# Altium PCB PCB.PcbDoc (part 1 of 3) (continued)
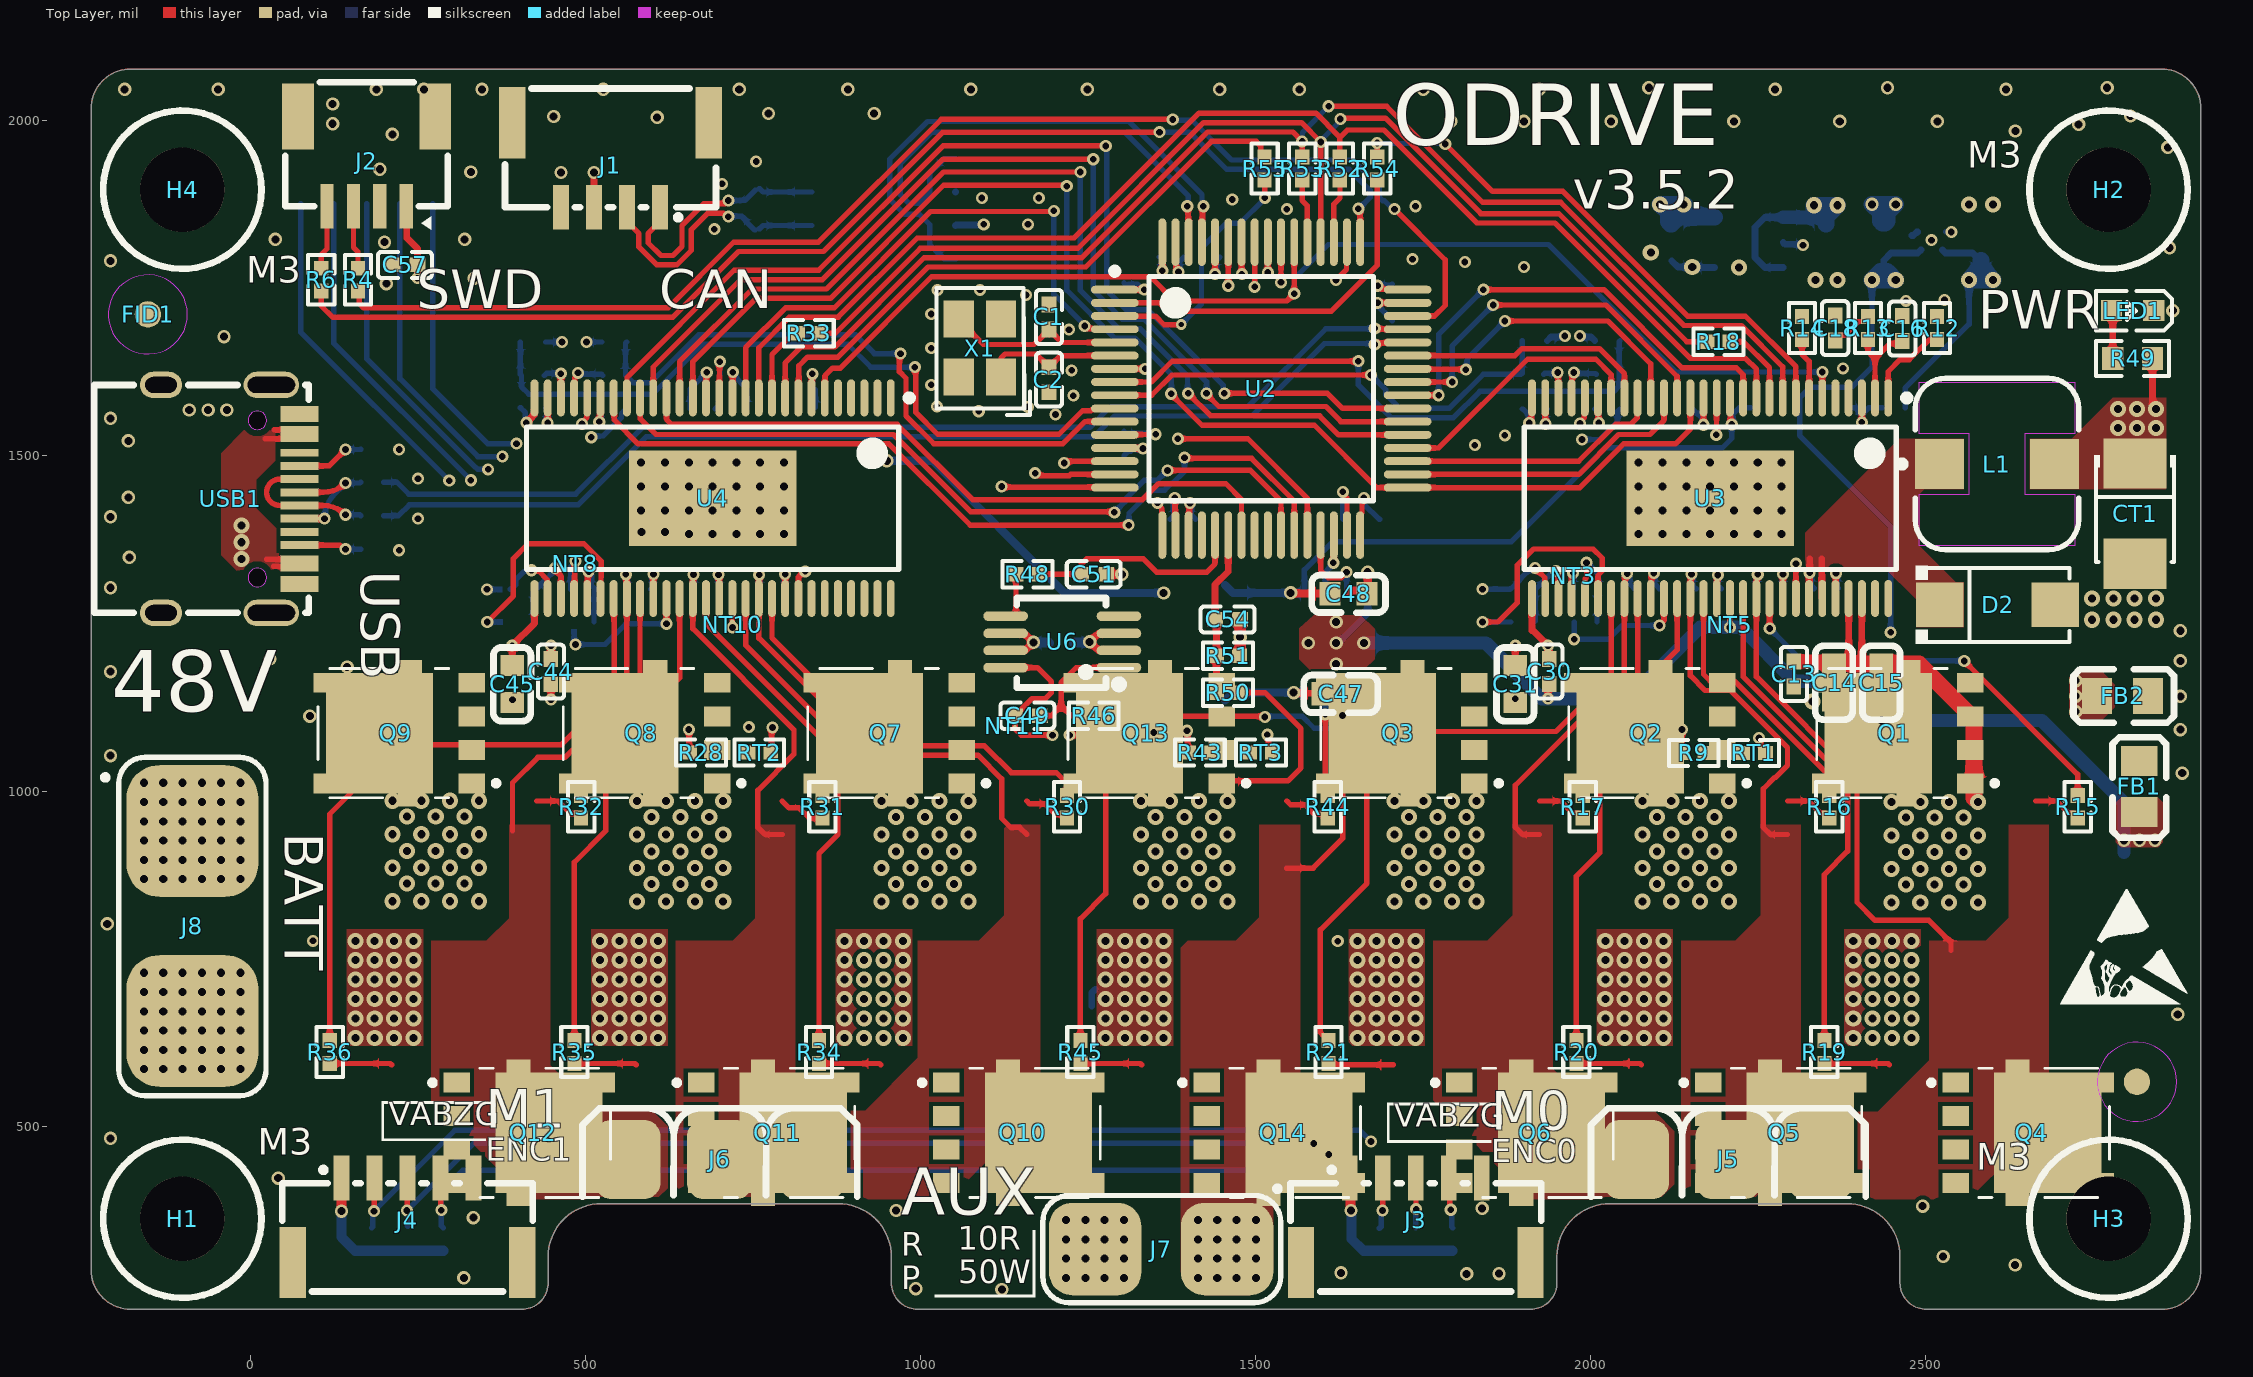
[diagram p0: Top Layer view]
## Footprints (in the part's own frame and the unit in brackets; to place one, negate y for a bottom-side part, rotate by r counter-clockwise, add the part's x,y. Pads: shape width x height; smd on the part's side, far side on the other; paste and mask are expansions set on the pad) (continued)
FIDUCIAL [mm] "1mm fiducial with 3mm keepout"
  round 1 smd paste-1 mask+0.5: 0(0,0)
  round 1 smd far side paste-1 mask+0.5: 0(0,0)
  Keep-Out Layer circle w0.025: c0,0 r1.5
GH1.25-4P [mm]
  rect 0.6x1.7 smd mask+0.05: 1(-1.845,1.905) 2(-0.595,1.905) 3(0.655,1.905) 4(1.905,1.905)
  rect 1x2.7 smd mask+0.05: 5(-3.695,-1.296) 6(3.755,-1.296)
  silkscreen extent -3.97,-2.59 4.03,2.39, body extent -4.13,-2.67 4.13,2.19, height 4.26
GH1.25-5P [mm]
  rect 0.6x1.7 smd mask+0.05: 1(-2.5,1.6) 2(-1.25,1.6) 3(0,1.6) 4(1.25,1.6) 5(2.5,1.6)
  rect 1x2.7 smd mask+0.05: 6(-4.35,-1.6) 7(4.35,-1.6)
  silkscreen extent -4.75,-2.7 4.75,2, body extent -4.75,-2.92 4.75,1.94, height 4.26
GH1.25-6P [mm]
  rect 0.6x1.7 smd mask+0.051: 1(-3.125,1.6) 2(-1.875,1.6) 3(-0.625,1.6) 4(0.625,1.6) 5(1.875,1.6) 6(3.125,1.6)
  rect 1x2.7 smd mask+0.051: 7(-4.975,-1.6) 8(4.975,-1.6)
  silkscreen extent -5.46,-2.79 5.46,2, body extent -5.38,-2.92 5.38,1.94, height 4.26
L0805 [mil]
  rect 44.59x54.21 smd paste-3937.01 mask+2: 1(-38.04,0) 2(38.04,0)
  silkscreen extent -77,-40 73,40
LED0603-RD [mm]
  rect 0.8x0.8 smd paste+0 mask+0.051: 1(0.799,0.003) 2(-0.799,-0.003)
  silkscreen extent -1.49,-0.75 1.39,0.76, body extent -0.81,-0.41 0.81,0.41, height 0.56
M3_NPTH [mm] "Hole without copper"
  round 3.2 hole 3.2 unplated: 1(0,0)
  silkscreen extent -3,-3 3,3
"MR30PB-F [Straight] [SMT]" [mm] "驱动器端"
  rrect50% 2.5x3 smd: 1(3.5,-1.489) 2(0,-1.489) 3(-3.5,-1.489)
  silkscreen extent -5.21,-3.43 5.21,-0.08, body extent -5.94,-1.78 5.94,9.62, height 2.74
MSOP-8_L3.0-W3.0-P0.65-LS5.0-BL [mil]
  oval 14.33x66.61 smd: 1(-38.39,-84.49) 2(-12.79,-84.49) 3(12.8,-84.49) 4(38.39,-84.49) 5(38.39,84.49) 6(12.8,84.49) 7(-12.79,84.49) 8(-38.39,84.49)
  silkscreen extent -69,-90 65,68, body extent -60,-98 58,98, height 39
NETTIE_8MIL#1 [mil]
  round 8 smd paste-78.74 mask+0: 1(0,0) 2(8,0)
  Top Layer region: 0,4 8,4 8,-4 0,-4
NETTIE_8MIL#2 [mil]
  round 8 on Mid2 paste-78.74 mask+0: 1(0,0) 2(8,0)
  Signal region: 0,4 8,4 8,-4 0,-4
NRVTS10100EMFST1G [mm]
  rect 0.75x0.475 smd: D(0,5.779) D(3.81,5.779)
  rect 4.56x2.73 smd: D(1.905,4.179)
  rect 4.56x0.43 smd: D(1.905,1.699)
  rect 5.55x0.91 smd: D(1.905,2.364)
  rect 0.75x1 smd: G(3.81,0.021) S(0,0.021) S(1.27,0.021) S(2.54,0.021)
  silkscreen extent -0.55,-1 4.36,5.85, body extent -0.67,-0.45 4.48,5.71, height 1
R0402 [mm]
  rect 0.566x0.54 smd mask+0.051: 1(-0.433,0) 2(0.433,0)
  silkscreen extent -0.94,-0.5 0.94,0.5, body extent -0.5,-0.25 0.5,0.25, height 0.5
R0603 [mil]
  rect 31.75x34.02 smd mask+2: 1(-29.66,0) 2(29.66,0)
  silkscreen extent -55,-26 55,26, body extent -33,-16 31,16, height 18
R2512 [mil]
  rect 50.49x136.06 smd paste-3937.01 mask+2: 1(-120.72,0) 2(120.72,0)
  silkscreen extent -155,-77 155,77, body extent -124,-63 124,63, height 24
SMA_L4.4-W2.6-LS5.0-RD [mm]
  rect 1.8x1.7 smd paste+0 mask+0.051: 1(-2.192,0) 2(2.192,0)
  silkscreen extent -3.11,-1.48 2.73,1.48, body extent -2.6,-1.24 2.6,1.26, height 2.1
SOIC127P600X175-8N [mm] "SOIC, 8-Leads, Body 4.90x3.90mm, Pitch 1.27mm, IPC Medium Density"
  oval 1.45x0.6 smd: 1(-2.725,1.905) 2(-2.725,0.635) 3(-2.725,-0.635) 4(-2.725,-1.905) 5(2.725,-1.905) 6(2.725,-0.635) 7(2.725,0.635) 8(2.725,1.905)
  silkscreen extent -2.85,-2.5 1.6,2.88, body extent -2,-2.5 2,2.5, height 1.75
SON80P400X80_HS-9N [mm] "SON, 8-Leads, Body 4.00x4.00mm, Pitch 0.80mm, Thermal Pad 3.00x2.49mm, IPC Medium Density"
  rect 0.9x0.3 smd mask+0: 1(-1.895,1.2) 2(-1.895,0.4) 3(-1.895,-0.4) 4(-1.895,-1.2) 5(1.895,-1.2) 6(1.895,-0.4) 7(1.895,0.4) 8(1.895,1.2)
  rect 2.49x3 smd paste-1.245 mask+0: 9(0,0)
  silkscreen extent -2.65,-2.2 2.2,2.25, body extent -2.05,-2.05 2.05,2.05, height 0.8
SOT95P280X145-5N [mm]
  rect 1.2x0.6 smd: 1(-1.25,0.95) 2(-1.25,0) 3(-1.25,-0.95) 4(1.25,-0.95) 5(1.25,0.95)
  silkscreen extent -1.85,-1.45 0.3,1.5, body extent -1.4,-1.45 1.4,1.45, height 1.2
SOT-23-5_L3.0-W1.7-P0.95-LS2.8-BR [mm]
  rect 1x0.6 smd: 1(1.3,-0.95) 2(1.3,0) 3(1.3,0.95) 4(-1.3,0.95) 5(-1.3,-0.95)
  silkscreen extent -0.9,-1.78 1.65,1.55, body extent -1.45,-1.39 1.45,1.39, height 1.2
STM-LQFP64_N [mm] "Thin QFP, 64-Leads, Body 10x10mm, Pitch 0.5mm, IPC Medium Density"
  oval 1.8x0.3 smd: 1(-5.55,3.75) 2(-5.55,3.25) 3(-5.55,2.75) 4(-5.55,2.25) 5(-5.55,1.75) 6(-5.55,1.25) 7(-5.55,0.75) 8(-5.55,0.25) 9(-5.55,-0.25) 10(-5.55,-0.75) 11(-5.55,-1.25) 12(-5.55,-1.75) 13(-5.55,-2.25) 14(-5.55,-2.75) 15(-5.55,-3.25) 16(-5.55,-3.75) 33(5.55,-3.75) 34(5.55,-3.25) 35(5.55,-2.75) 36(5.55,-2.25) 37(5.55,-1.75) 38(5.55,-1.25) 39(5.55,-0.75) 40(5.55,-0.25) 41(5.55,0.25) 42(5.55,0.75) 43(5.55,1.25) 44(5.55,1.75) 45(5.55,2.25) 46(5.55,2.75) 47(5.55,3.25) 48(5.55,3.75)
  oval 0.3x1.8 smd: 17(-3.75,-5.55) 18(-3.25,-5.55) 19(-2.75,-5.55) 20(-2.25,-5.55) 21(-1.75,-5.55) 22(-1.25,-5.55) 23(-0.75,-5.55) 24(-0.25,-5.55) 25(0.25,-5.55) 26(0.75,-5.55) 27(1.25,-5.55) 28(1.75,-5.55) 29(2.25,-5.55) 30(2.75,-5.55) 31(3.25,-5.55) 32(3.75,-5.55) 49(3.75,5.55) 50(3.25,5.55) 51(2.75,5.55) 52(2.25,5.55) 53(1.75,5.55) 54(1.25,5.55) 55(0.75,5.55) 56(0.25,5.55) 57(-0.25,5.55) 58(-0.75,5.55) 59(-1.25,5.55) 60(-1.75,5.55) 61(-2.25,5.55) 62(-2.75,5.55) 63(-3.25,5.55) 64(-3.75,5.55)
  silkscreen extent -5.67,-4.25 4.25,4.57, body extent -5,-5 5,5, height 1.6
TSSOP50P810X120_HS-57N [mm] "TSSOP, 56-Leads, Body 14.00x6.10mm, Pitch 0.50mm, Thermal Pad 6.35x3.61mm, IPC Medium Density"
  oval 1.4x0.3 smd: 1(-3.8,6.75) 2(-3.8,6.25) 3(-3.8,5.75) 4(-3.8,5.25) 5(-3.8,4.75) 6(-3.8,4.25) 7(-3.8,3.75) 8(-3.8,3.25) 9(-3.8,2.75) 10(-3.8,2.25) 11(-3.8,1.75) 12(-3.8,1.25) 13(-3.8,0.75) 14(-3.8,0.25) 15(-3.8,-0.25) 16(-3.8,-0.75) 17(-3.8,-1.25) 18(-3.8,-1.75) 19(-3.8,-2.25) 20(-3.8,-2.75) 21(-3.8,-3.25) 22(-3.8,-3.75) 23(-3.8,-4.25) 24(-3.8,-4.75) 25(-3.8,-5.25) 26(-3.8,-5.75) 27(-3.8,-6.25) 28(-3.8,-6.75) 29(3.8,-6.75) 30(3.8,-6.25) 31(3.8,-5.75) 32(3.8,-5.25) 33(3.8,-4.75) 34(3.8,-4.25) 35(3.8,-3.75) 36(3.8,-3.25) 37(3.8,-2.75) 38(3.8,-2.25) 39(3.8,-1.75) 40(3.8,-1.25) 41(3.8,-0.75) 42(3.8,-0.25) 43(3.8,0.25) 44(3.8,0.75) 45(3.8,1.25) 46(3.8,1.75) 47(3.8,2.25) 48(3.8,2.75) 49(3.8,3.25) 50(3.8,3.75) 51(3.8,4.25) 52(3.8,4.75) 53(3.8,5.25) 54(3.8,5.75) 55(3.8,6.25) 56(3.8,6.75)
  rect 3.61x6.35 smd: 57(0,0)
  silkscreen extent -3.92,-7.05 2.7,7.58, body extent -3.1,-7.05 3.1,7.05, height 1.2
USB-C-16P [mm]
  oval 1.001x2.101 hole 0.599 slot 1.801 at 90 deg paste-2539.97 mask+0.051: 0(-4.321,1.633) 0(4.321,1.633)
  oval 1.001x1.6 hole 0.599 slot 1.199 at 90 deg paste-2539.97 mask+0.051: 0(-4.321,-2.548) 0(4.321,-2.548)
  rect 0.3x1.45 smd: A1(-3.071,2.7) A4(-2.309,2.7) A5(-1.25,2.7) A6(-0.25,2.7) A7(0.25,2.7) A8(1.25,2.7) A9(2.291,2.7) A12(3.079,2.7) B1(3.384,2.7) B4(2.596,2.7) B5(1.75,2.7) B6(0.75,2.7) B7(-0.75,2.7) B8(-1.75,2.7) B9(-2.614,2.7) B12(-3.376,2.7)
  Keep-Out Layer board cut-out: -2.629,1.102 -2.664,1.254 -2.761,1.376 -2.901,1.444 -3.057,1.444 -3.198,1.376 -3.295,1.254 -3.33,1.102 -3.33,1.102 -3.295,0.95 -3.198,0.828 -3.057,0.761 -2.901,0.761 -2.761,0.828 -2.664,0.95 -2.629,1.102
  Keep-Out Layer board cut-out: 3.33,1.102 3.295,1.254 3.198,1.376 3.057,1.444 2.901,1.444 2.761,1.376 2.664,1.254 2.629,1.102 2.629,1.102 2.664,0.95 2.761,0.828 2.901,0.761 3.057,0.761 3.198,0.828 3.295,0.95 3.33,1.102
  silkscreen extent -4.32,-5.08 4.32,3.05, body extent -4.49,-5.02 4.45,2.73, height 3.29
WE-PD_6050R [mm] "SMT Shielded Power Inductor, 2-leads, body 5.9x6.2mm"
  rect 1.85x1.9 smd: 1(-2.175,0) 2(2.175,0)
  Top Layer keep-out region: -2.95,-3.1 -2.95,-1.15 -1.05,-1.15 -1.05,1.15 -2.95,1.15 -2.95,3.1 2.95,3.1 2.95,1.15 1.05,1.15 1.05,-1.15 2.95,-1.15 2.95,-3.1
  silkscreen extent -3.72,-3.25 3.1,3.25, body extent -2.95,-3.1 2.95,3.1, height 4.9
XT60_2pads [mm]
  rrect50% 5x5 smd: 1(0,0) 2(7.2,0)
  silkscreen extent -2.79,-3.4 10.03,2.79, body extent -4.31,-18.92 11.59,1.58, height 6.25

## Part data
C1 C2 C3 C4 C5 C6 C7 C8 C9 C10 C11 C12 C13 C14 C15 C16 C17 C18 C19 C20 C21 C22 C23 C24 C25 C26 C27 C28 C29 C30 C31 C32 C33 C34 C35 C36 C37 C38 C39 C40 C41 C42 C43 C44 C45 C46 C47 C48 C49 C50 C51 C52 C53 C54 C55 C56 C57: library part Cap, "Capacitor", LatestRevisionDate=17-Jul-2002, LatestRevisionNote="Re-released for DXP Platform.", PackageDescription="Radial Cap, Thru-Hole; 2 Leads; 0.3 in Pin Spacing", PackageReference=RAD-0.3, Published=8-Jun-2000, Publisher="Altium Limited"
CE1 CE2 CE3 CE4: library part "Cap Pol", "Polarized Capacitor (Axial)", LatestRevisionDate=17-Jul-2002, LatestRevisionNote="Re-released for DXP Platform.", PackageDescription="Polarized Capacitor; 2 Leads", PackageReference=POLAR0.8, Published=8-Jun-2000, Publisher="Altium Limited"
CT1: library part "Cap TANT", "容值:330uF;精度:±20%;额定电压:6.3V;等效串联电阻:-;", Equivalent Series Resistance(ESR)=-, JLCPCB Part Class=扩展库, LCSC Part Name="330uF ±20% 6.3V", Manufacturer=湘怡中元/湘江, Manufacturer Part=CA45-C6R3M337T, Rated Voltage=6.3V, Tolerance=±20%, Add into BOM=yes, Convert to PCB=yes, Datasheet=https://atta.szlcsc.com/upload/public/pdf/source/20191009/C435293_78A410F3D73489DBEAC46056C4262F7A.pdf, Device=CA45-C6R3M337T, Leakage Current(DCL)=-, Name=330uF, Ripple Current=-, Supplier=LCSC, Supplier Footprint=CASE-A-2312, Supplier Part=C2832686, Symbol=CA45-C6R3M337T
D1 D2 D3: library part Diode_Schottky, "直流反向耐压(Vr):40V;平均整流电流(Io):3A;正向压降(Vf):500mV@3A;", Average Rectified Current (Io)=3A, Forward Voltage (Vf@If)=500mV@3A, JLCPCB Part Class=扩展库, LCSC Part Name="40V 3A 500mV@3A", Manufacturer=DIODES(美台), Reverse Voltage (Vr)=40V, Add into BOM=yes, Convert to PCB=yes, Datasheet=https://atta.szlcsc.com/upload/public/pdf/source/20171023/C134454_15087453575121052549.pdf, Device=B340A-13-F, Manufacturer Part=B340A-13-F, Name=B340A-13-F, Supplier=LCSC, Supplier Footprint=SMA(DO-214AC), Supplier Part=C85098, Symbol=B340A-13-F
FB1 FB2: library part "Ferrite Bead", "标称阻抗@测试频率:600Ω@100MHz;误差:±25%;直流电阻(RDC):250mΩ;额定电流:2A", Current Rating=2A, DC Resistance=250mΩ, Impedance @ Frequency=600Ω@100MHz, JLCPCB Part Class="Extended Part", LCSC Part Name="600Ω@100MHz ±25%", Manufacturer=FH(风华), Manufacturer Part=CBW321609U601T, Tolerance=±25%, Add into BOM=yes, Circuits=1, Convert to PCB=yes, Datasheet=https://atta.szlcsc.com/upload/public/pdf/source/20160606/1465200211209.pdf, Device=CBW321609U601T, Name=CBW321609U601T, Supplier=LCSC, Supplier Footprint=SMD, Supplier Part=C73732, Symbol=CBW321609U601T
FID1 FID2: library part FIDUCIAL, "1mm Fiducial with 2mm soldermask, 3mm keepout"
H1 H2 H3 H4: library part NPTH, "Hole without copper"
J1 J3 J4 J9: JLCPCB Part Class="Extended Part", LCSC Part Name=GH1.25-5P立贴编带加盖, Manufacturer=BOOMELE(博穆精密), Manufacturer Part=GH1.25-5PLTPZ, Add into BOM=yes, Convert to PCB=yes, Datasheet=https://atta.szlcsc.com/upload/public/pdf/source/20211125/08A09A4909F58AF780B71FE423A00F7E.pdf, Device=GH1.25-5PLTPZ, Name=GH1.25-5PLTPZ, Supplier=LCSC, Supplier Footprint=-, Supplier Part=C2829263, Symbol=GH1.25-5PLTPZ
J2: "CONN-SMD_4P-P1.25_532610571-2", JLCPCB Part Class="Extended Part", LCSC Part Name=GH1.25-5P立贴编带加盖, Manufacturer=BOOMELE(博穆精密), Manufacturer Part=GH1.25-5PLTPZ, Add into BOM=yes, Convert to PCB=yes, Datasheet=https://atta.szlcsc.com/upload/public/pdf/source/20211125/08A09A4909F58AF780B71FE423A00F7E.pdf, Device=GH1.25-5PLTPZ, Name=GH1.25-5PLTPZ, Supplier=LCSC, Supplier Footprint=-, Supplier Part=C2829263, Symbol=GH1.25-5PLTPZ
J5 J6: library part "MR30PB-F [Straight] [SMT]", "驱动器端"
L1: library part 7447786122, "WE-PD SMT Power Inductor, size 6050R, 22uH, 2A, 115mOhm", Case/Size Code=6050R, DC Resistance=98mOhm, DC Resistance Max=115mOhm, Inductance=22uH, Manufacturer="Wurth Elektronik", Operating Temperature Max=125°C, Operating Temperature Min=-40°C, Rated Current=2A, Saturation Current=1.3A, Self Resonant Frequency=15MHz, Category="Power Inductors", ComponentLink1Description="Website Link", ComponentLink1URL=https://www.we-online.com/redexpert/article/7447786122?ad, ComponentLink2Description="Datasheet Link", ComponentLink2URL=https://www.we-online.com/redexpert/spec/7447786122?ad, Height=5.1mm, Length=5.9mm, Manufacturer Part Number=7447786122, Match Code=WE-PD, Mount="Surface Mount", Packaging="Tape and Reel", Type=Robust, Width=6.2mm
LED1: library part LED, "发光颜色:", Emitted Color=红灯, JLCPCB Part Class="Extended Part", Manufacturer=EVERLIGHT(亿光), Manufacturer Part=17-21SURC/S530-A2/TR8, Add into BOM=yes, Convert to PCB=yes, Datasheet=https://atta.szlcsc.com/upload/public/pdf/source/20170918/C131244_1505726880590976254.pdf, Device=17-21SURC/S530-A2/TR8, LCSC Part Name=红灯, Name=17-21SURC/S530-A2/TR8, Supplier=LCSC, Supplier Footprint=0805, Supplier Part=C131244, Symbol=17-21SURC/S530-A2/TR8
NT1 NT2 NT3 NT4 NT5 NT6 NT7 NT8 NT9 NT10 NT11: library part NETTIE
Q1 Q2 Q3 Q4 Q5 Q6 Q7 Q8 Q9 Q10 Q11 Q12 Q13 Q14: library part MOSFET-N, "MOSFET – Power, Single, / N-Channel, SO-8 FL / 30 V, 93 A", Current - Continuous Drain (Id) @ 25°C="13A (Ta), 93A (Tc)", Drain to Source Voltage (Vdss)=30V, Drive Voltage (Max Rds On,  Min Rds On)="4.5V, 10V", Input Capacitance (Ciss) (Max) @ Vds="4850pF @ 15V", Manufacturer="ON Semiconductor", Operating Temperature="-55°C ~ 150°C (TJ)", Package / Case="8-PowerTDFN, 5 Leads", Power Dissipation (Max)="930mW (Ta), 48W (Tc)", Supplier Device Package="5-DFN (5x6) (8-SOFL)", Supplier Part Number 1=NTMFS4935NT1GOSCT-ND, Category="Discrete Semiconductor Products", ComponentLink1Description=http://www.onsemi.com/pub_link/Collateral/NTMFS4935N-D.PDF, ComponentLink1URL=http://www.onsemi.com/pub_link/Collateral/NTMFS4935N-D.PDF, FET Feature=-, FET Type=N-Channel, Gate Charge (Qg) (Max) @ Vgs="49.4nC @ 10V", Manufacturer Part Number=NTMFS4935NT1G, Mounting Type="Surface Mount", Packaging="Cut Tape (CT)", Part Status=Active, Pricing 1="1=0.61, 10=0.541, 100=0.4145, 500=0.3277 (USD)", Rds On (Max) @ Id, Vgs="3.2 mOhm @ 30A, 10V", RoHS="RoHS Compliant", Stock 1=932, Supplier 1=Digi-Key, Technology="MOSFET (Metal Oxide)", Vgs (Max)=±20V, Vgs(th) (Max) @ Id="2.2V @ 250µA"
R1 R2 R3 R4 R5 R6 R7 R8 R9 R10 R11 R12 R13 R14 R15 R16 R17 R18 R19 R20 R21 R22 R23 R24 R25 R26 R27 R28 R29 R30 R31 R32 R33 R34 R35 R36 R37 R38 R39 R40 R41 R42 R43 R44 R45 R46 R47 R48 R49 R50 R51 R52 R53 R54 R55: library part Res, "Resistor", LatestRevisionDate=17-Jul-2002, LatestRevisionNote="Re-released for DXP Platform.", PackageDescription="Axial Device, Thru-Hole; 2 Leads; 0.3 in Pin Spacing", PackageReference=AXIAL-0.3, Published=8-Jun-2000, Publisher="Altium Limited"
R56 R57 R58 R59 R60 R61: library part Res, LatestRevisionDate=17-Jul-2002, LatestRevisionNote="Re-released for DXP Platform.", PackageDescription="Axial Device, Thru-Hole; 2 Leads; 0.3 in Pin Spacing", PackageReference=AXIAL-0.3, Published=8-Jun-2000, Publisher="Altium Limited"
RT1 RT2 RT3: library part "TEMP RES", "THERMISTOR 10K OHM NTC 0402 SMD"
U1: Manufacturer="Texas Instruments", Operating Temperature="-40°C ~ 85°C", Package / Case="8-SOIC (0.154\", 3.90mm Width)", Supplier Device Package=8-SOIC, Supplier Part Number 1=296-26344-2-ND, Voltage - Supply="3 V ~ 3.6 V", Category="Integrated Circuits (ICs)", ComponentLink1Description=http://www.ti.com/lit/ds/symlink/sn65hvd230.pdf, ComponentLink1URL=http://www.ti.com/lit/ds/symlink/sn65hvd230.pdf, Data Rate=1Mbps, Duplex=Half, Mounting Type="Surface Mount", Number of Drivers/Receivers=1/1, Packaging="Tape & Reel (TR)", Part Status=Active, Pricing 1="2500=0.84375 (USD)", Pricing 2="1=2.05, 10=1.842, 100=1.4809, 500=1.21668, 1000=1.00811 (USD)", Protocol=CAN, RoHS="RoHS Compliant", Stock=5000, Supplier 1=Digi-Key, Supplier 2=Digi-Key, Supplier Part Number 2=296-26344-1-ND, Type=Transceiver
U2: "ARM Cortex-M4 32-bit MCU+FPU, 210 DMIPS, 1024 kB Flash, 192 kB Internal RAM, 51 I/Os, 64-pin LQFP, -40 to 85 degC, Tray", I/Os (High Current)=51, Manufacturer=STMicroelectronics, Operating Frequency(F) (Processor speed) (MHz)=168, Supplier Part Number 1=497-11767-ND, Supply Voltage(Vcc) max (V)=3.6, Supply Voltage(Vcc) min (V)=1.8, ComponentLink1Description="Manufacturer URL", ComponentLink1URL=http://www.st.com/web/en/home.html, ComponentLink2Description=Datasheet, ComponentLink2URL=http://www.st.com/st-web-ui/static/active/en/resource/technical/document/datasheet/DM00037051.pdf, ComponentLink3Description="Package Specification", ComponentLink3URL=http://www.st.com/st-web-ui/static/active/en/resource/technical/document/datasheet/DM00037051.pdf, Core="ARM Cortex-M4", D/A Converter=2x12-bit, DatasheetVersion="Rev. 4", FLASH Size (Prog) (kB)=1024, Internal RAM Size (kB)=192, Mounting Technology="Surface Mount", PackageDescription="64-Pin Low Profile Quad Flat Package, 10 x 10 mm Body, 0.5 mm Pitch", PackageReference=LQFP64, PackageVersion="Rev. 4, 06/2013", Packing=Tray, PartNumber=STM32F405RGT6, Supplier 1=Digi-Key, Supplier 2=Farnell, Supplier 3=Newark, Supplier 4=Mouser, Supplier Part Number 2=2064363, Supplier Part Number 3=73T2329, Supplier Part Number 4=511-STM32F405RGT6
U3 U4: "MOTOR DRIVER, 3PH, 56HTSSOP"
U5: "DRIVER, MOSFET, HALF BRIDGE, WSON-8, 1A", Supplier Part Number 1=2400642RL, Supplier 1=Farnell, Supplier 2=Farnell, Supplier 3=Farnell, Supplier Part Number 2=2400642, Supplier Part Number 3=2382850
U6: library part AD8418WBRZ, "ANALOG DEVICES Current Sense Amplifier, Bidirectional, 1, 130 µA, NSOIC"
U7: "Integrated Circuit", Arrow Part Number=LP5907MFX-3.3/NOPB, Manufacturer_Name="Texas Instruments", Mouser Part Number=595-LP5907MFX-3.3NPB, Arrow Price/Stock=https://www.arrow.com/en/products/lp5907mfx-3.3nopb/texas-instruments?utm_currency=USD&region=nac, Datasheet Link=https://datasheet.datasheetarchive.com/originals/distributors/Datasheets-SFU2/DSASFU100037200.pdf, Height=1.45mm, Manufacturer_Part_Number=LP5907MFX-3.3/NOPB, Mouser Price/Stock=https://www.mouser.co.uk/ProductDetail/Texas-Instruments/LP5907MFX-3.3-NOPB?qs=biyDIajrTn6NhrJCoL%2FdSQ%3D%3D
U8: Dropout Voltage=180mV@(300mA), JLCPCB Part Class="Extended Part", Manufacturer=MICRONE(南京微盟), Maximum Input Voltage=7V, Output Current=800mA, Output Voltage=3.3V, Power Supply Rejection Ratio (PSRR)=65dB@(1kHz), Quiescent Current (Ground Current)=-, Add into BOM=yes, Convert to PCB=yes, Datasheet=https://atta.szlcsc.com/upload/public/pdf/source/20190910/C427602_D4B9162A2E9D9EF57C60010DFDECEF37.pdf, Device=ME6217C33M5G, LCSC Part Name=ME6217C33M5G, Manufacturer Part=ME6217C33M5G, Name=ME6217C33M5G, Number of Outputs=1, Output Polarity=正, Output Type=固定, Supplier=LCSC, Supplier Footprint=SOT-23-5, Supplier Part=C427602, Symbol=ME6217C33M5G
X1: library part CRYSTAL, "Crystal 8MHz ±10ppm 10pF 200 Ohm -10°C ~ 60°C Surface Mount 4-SMD, No Lead (DFN, LCC)", Frequency Stability=±10ppm, Load Capacitance=10pF, Manufacturer="Abracon LLC", Manufacturer Part Number=ABM3B-8.000MHZ-10-1-U-T, Operating Mode=Fundamental, Operating Temperature="-10°C ~ 60°C", Package / Case="4-SMD, No Lead", Ratings=-, Supplier Part Number 1=535-9721-1-ND, Category="Crystals, Oscillators, Resonators", ComponentLink1Description=http://www.abracon.com/Resonators/abm3b.pdf, ComponentLink1URL=http://www.abracon.com/Resonators/abm3b.pdf, Frequency Tolerance=±10ppm, Height - Seated (Max)="0.043\" (1.10mm)", Mounting Type="Surface Mount", Packaging="Cut Tape (CT)", Part Status=Active, Pricing 1="1=0.69, 10=0.578, 50=0.5198, 100=0.462, 500=0.4389 (USD)", Pricing 2="1000=0.336, 3000=0.315, 5000=0.3045, 10000=0.294 (USD)", RoHS="RoHS Compliant", Size / Dimension="0.197\" L x 0.126\" W (5.00mm x 3.20mm)", Stock=35437, Supplier 1=Digi-Key, Supplier 2=Digi-Key, Supplier Part Number 2=535-9721-2-ND, Type="MHz Crystal"

## Via types
v1: diameter 24, hole 12, Top Layer to Bottom Layer, tented top, 470 vias
v2: diameter 18, hole 10, Top Layer to Bottom Layer, tented top, 182 vias
v3: diameter 20, hole 12, Top Layer to Bottom Layer, tented top, 107 vias
v4: diameter 24, hole 12, Top Layer to Bottom Layer, tented both sides, 66 vias
v5: diameter 18, hole 10, Top Layer to Bottom Layer, tented both sides, 31 vias
v6: diameter 20, hole 12, Top Layer to Bottom Layer, tented both sides, 2 vias
v7: diameter 16, hole 8, Top Layer to Bottom Layer, tented top, 1 vias

## Nets (pads, with @x,y where several pads share a name; then routed paths per layer and width w, separated by ;. In a path a pad name is that pad's centre, name@x,y a point inside that pad or via, vN(x,y) a via of type N, cw(c..) or ccw(c..) an arc to the next point about the centre after c; other vN are vias at no path point)
AGND: C8.1 C12.1 C24.2 C27.1 C28.1 C29.1 C32.1 C38.2 C41.1 C42.1 C43.1 C46.1 C50.1 C51.1 C53.1 C54.1 FB2.2 R9.2 R28.1 R43.1 R51.1 U2.12 U3.28 U4.28 U6.2 U6.3 | length 922.3
  Top Layer w8: v5(654.5,1091.92) 655.01,1091.41 655.01,1052.74 R28.1@655.46,1052.29 ; U2.12@1290.11,1531.47 1290.52,1531.88 1350.73,1531.88 v2(1351.13,1532.28) ; v5(1397.76,1089.88) 1398.85,1088.78 1398.85,1058.52 R43.1@1399.95,1057.43 ; v2(1908.46,1548.95) 1908.46,1551.11 1911.91,1554.56 1911.91,1585.78 U3.28@1912.63,1586.51 ; v2(2136.31,1091.84) 2136.61,1091.55 2136.61,1057.09 R9.2@2136.9,1056.8
  Top Layer w10: v2(412.09,1549.44) 424.3,1561.66 U4.28@424.3,1586.51 ; C51.1@1277.38,1323.21 v3(1300.6,1323.21) ; U6.2@1296.32,1209.74 1265.6,1209.74 v3(1252.68,1222.65) 1265.36,1235.33 U6.3@1296.32,1235.33
  Top Layer w15: R51.1@1475.85,1201.8 1477.12,1203.07 C54.1@1477.12,1255.97
  Bottom Layer w8: 403.27,1571.67 403.73,1571.67 410.56,1564.85 410.56,1550.97 v2(412.09,1549.44) ; C42.1@440.68,1669.99 440.74,1669.93 v2(465.34,1669.86) v2(465.34,1669.86) ; v2(501.89,1669.86) 501.95,1669.93 524.35,1669.93 C41.1@524.42,1669.99 ; v2(508.95,1527.8) 510.86,1529.72 526.72,1529.72 554.01,1557.01 554.01,1563.13 560.83,1569.96 C38.2@561.82,1569.96 ; C8.1@1303.81,1536.8 1306.8,1533.81 1349.6,1533.81 v2(1351.13,1532.28) ; 1897.87,1569.96 1898.86,1569.96 1905.68,1563.13 1905.68,1562.15 1906.93,1560.9 1906.93,1550.48 v2(1908.46,1548.95) ; v2(1987.31,1524.39) 2014.34,1524.39 2040.29,1550.33 2040.29,1566.44 C24.2@2043.81,1569.96
  Bottom Layer w10: C28.1@1935.27,1671.8 1940.93,1677.46 1960.13,1677.46 v2(1961.66,1678.99) ; v2(1983.96,1678.99) 1985.49,1677.46 2000.75,1677.46 C27.1@2006.41,1671.8
  Bottom Layer w15: C50.1@1229.31,1221.01 1230.13,1221.83 1251.86,1221.83 v3(1252.68,1222.65)
  Bottom Layer w25: v3(2419.86,1875.36) 2432.36,1862.86 2432.36,1850.36 2435.61,1847.12 2439.55,1847.12 2442.79,1850.36 2442.79,1862.86 v3(2455.29,1875.36) v3(2419.86,1875.36)
  other v3: 2723.81,1118.49 2723.81,1141.62 2723.81,1164.74 1477.12,1229.52
AUX_H: U2.30 U5.2 | length 91.6
  Top Layer w8: v2(1616.2,1340.55) 1616.54,1340.89 1616.54,1381.52 U2.30@1616.88,1381.86
  Bottom Layer w8: U5.2@1604.53,1295.42 1604.53,1327.05 1616.2,1338.72 v2(1616.2,1340.55)
AUX_I: C51.2 R48.1 U2.21 | length 337.6
  Top Layer w8: R48.1@1176.82,1323.57 C51.2@1239.97,1323.57 1239.97,1338.22 1248.18,1346.43 1332.7,1346.43 1352.95,1326.18 1427.06,1326.18 1439.72,1338.84 U2.21@1439.72,1381.86
AUX_L: U2.29 U5.3 | length 130.9
  Top Layer w8: U2.29@1597.2,1381.86 1597.2,1329.21 1608.23,1318.18 1628.13,1318.18 1635.7,1325.75 v2(1635.7,1326.55)
  Bottom Layer w8: v2(1635.7,1326.55) 1635.86,1326.39 1635.86,1295.58 U5.3@1636.02,1295.42
AUX_TEMP: C46.2 R43.2 RT3.2 U2.24
  other v2: 1348.28,1087.28
CAN_MCU_N: U1.4 U2.61 | length 819.4
  Top Layer w8: U2.61@1420.03,1818.87 1420.76,1819.6 1420.76,1871.09 v2(1422.19,1872.52)
  Bottom Layer w8: U1.4@1052.54,1793.8 1035.81,1793.8 1014,1815.61 1014,1845.07 998.27,1860.8 976.5,1860.8 954.25,1883.04 954.25,1942.6 1010.68,1999.03 1311.18,1999.03 1420.28,1889.93 1420.28,1874.44 v2(1422.19,1872.52)
CAN_MCU_P: U1.1 U2.62 | length 737.7
  Top Layer w8: v2(1398.19,1872.52) 1399.62,1871.1 1399.62,1819.6 U2.62@1400.35,1818.87
  Bottom Layer w8: U1.1@1052.54,1943.8 1035.81,1943.8 1014,1921.99 1014,1892.76 998.04,1876.8 983.12,1876.8 970.25,1889.67 970.25,1935.97 1017.31,1983.03 1304.55,1983.03 1399.77,1887.81 1399.77,1874.11 v2(1398.19,1872.52)
CAN_N: J1.2 R5.1 U1.6 | length 393.5
  Top Layer w8: J1.2@562.24,1870.94 562.24,1849.29 579.9,1831.62 579.9,1811.9 606.86,1784.94 636.5,1784.94 658.39,1806.83 658.39,1837.89 682.37,1861.88 705.83,1861.88 710.74,1856.97 v2(713.45,1856.97)
  Bottom Layer w8: v2(713.45,1856.97) 714.15,1857.68 733.27,1857.68 740.8,1850.15 740.8,1849.02 752.68,1837.14 R5.1@753.81,1837.14 ; R5.1@759.38,1839.14 760.52,1839.14 765.18,1843.8 U1.6@837.98,1843.8
CAN_P: J1.1 R5.2 U1.7 | length 367.1
  Top Layer w8: J1.1@611.45,1870.94 611.45,1849.29 593.9,1831.74 593.9,1818.07 613.04,1798.94 630.7,1798.94 644.39,1812.63 644.39,1843.69 677.06,1876.36 706.13,1876.36 710.74,1880.97 v2(713.45,1880.97)
  Bottom Layer w8: v2(713.45,1880.97) 738.32,1880.97 R5.2@753.81,1896.46 ; R5.2@759.38,1898.46 760.52,1898.46 765.18,1893.8 U1.7@837.98,1893.8
EN_GATE: U2.33 U3.16 U4.16 | length 2029.3
  Top Layer w8: U4.16@660.52,1586.51 660.52,1640.54 754.94,1734.96 865.69,1734.96 1034.57,1903.84 1216.98,1903.84 v2(1218.39,1902.43) ; v2(1374.17,1592.73) 1374.17,1592.01 1420.47,1545.71 1587.86,1545.71 1680.84,1452.73 U2.33@1727.12,1452.73 1984,1452.73 2049.24,1517.97 2126.41,1517.97 2148.86,1540.41 U3.16@2148.86,1586.51
  Bottom Layer w8: v2(1218.39,1902.43) 1218.39,1747.4 1289.9,1675.89 1320.13,1675.89 1374.55,1621.48 1374.55,1593.11 v2(1374.17,1592.73)